# KiCad board 100p-keebored.kicad_pcb
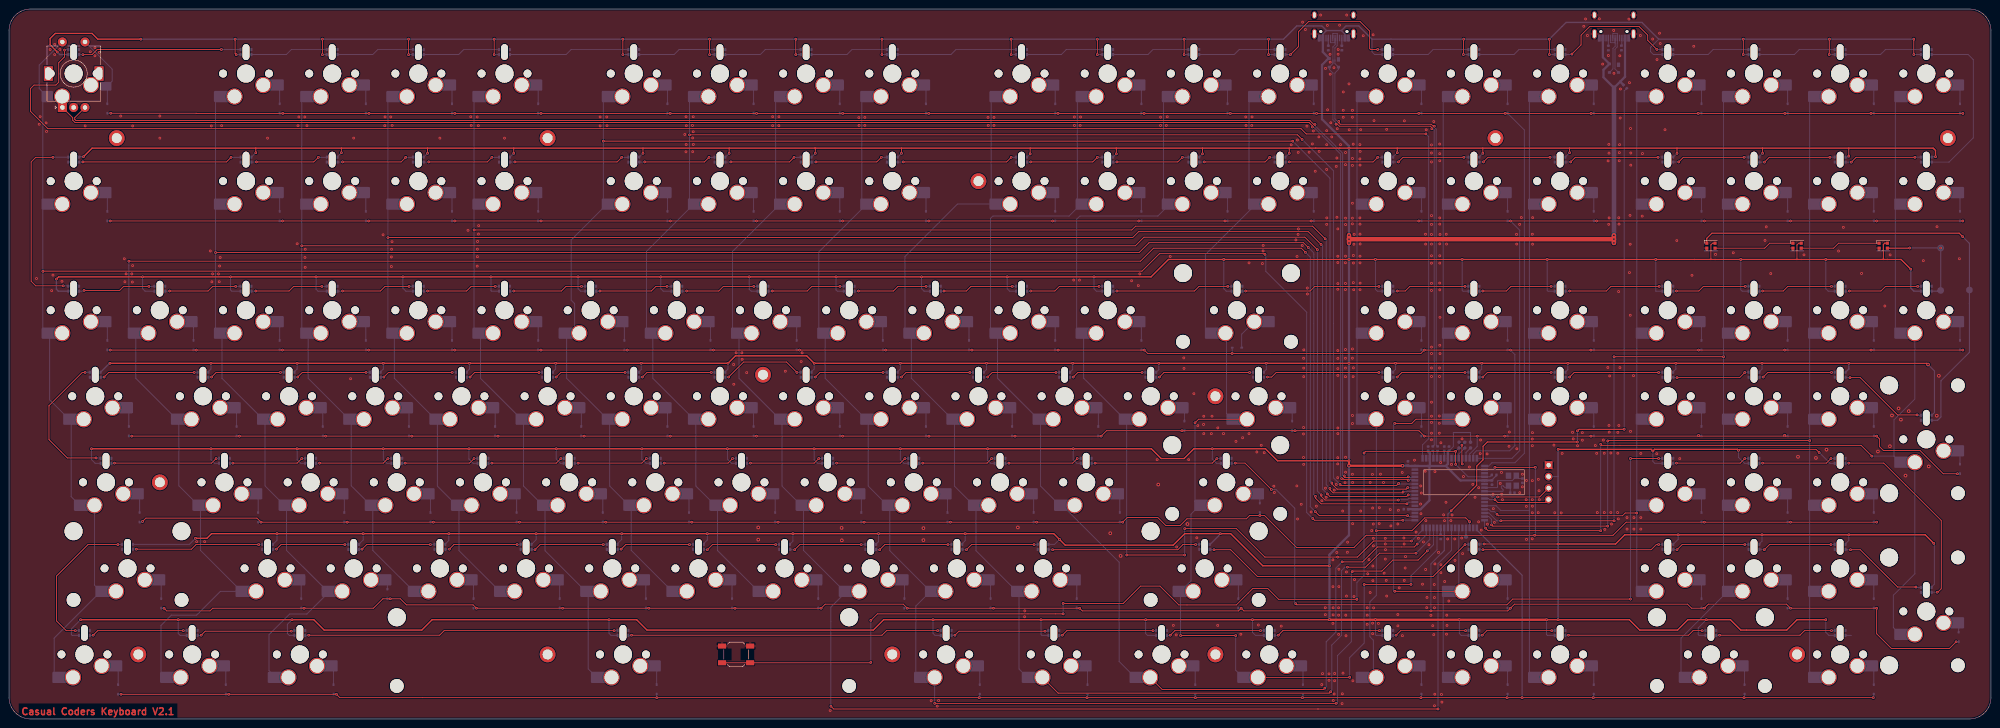
[diagram p0: board, top side]
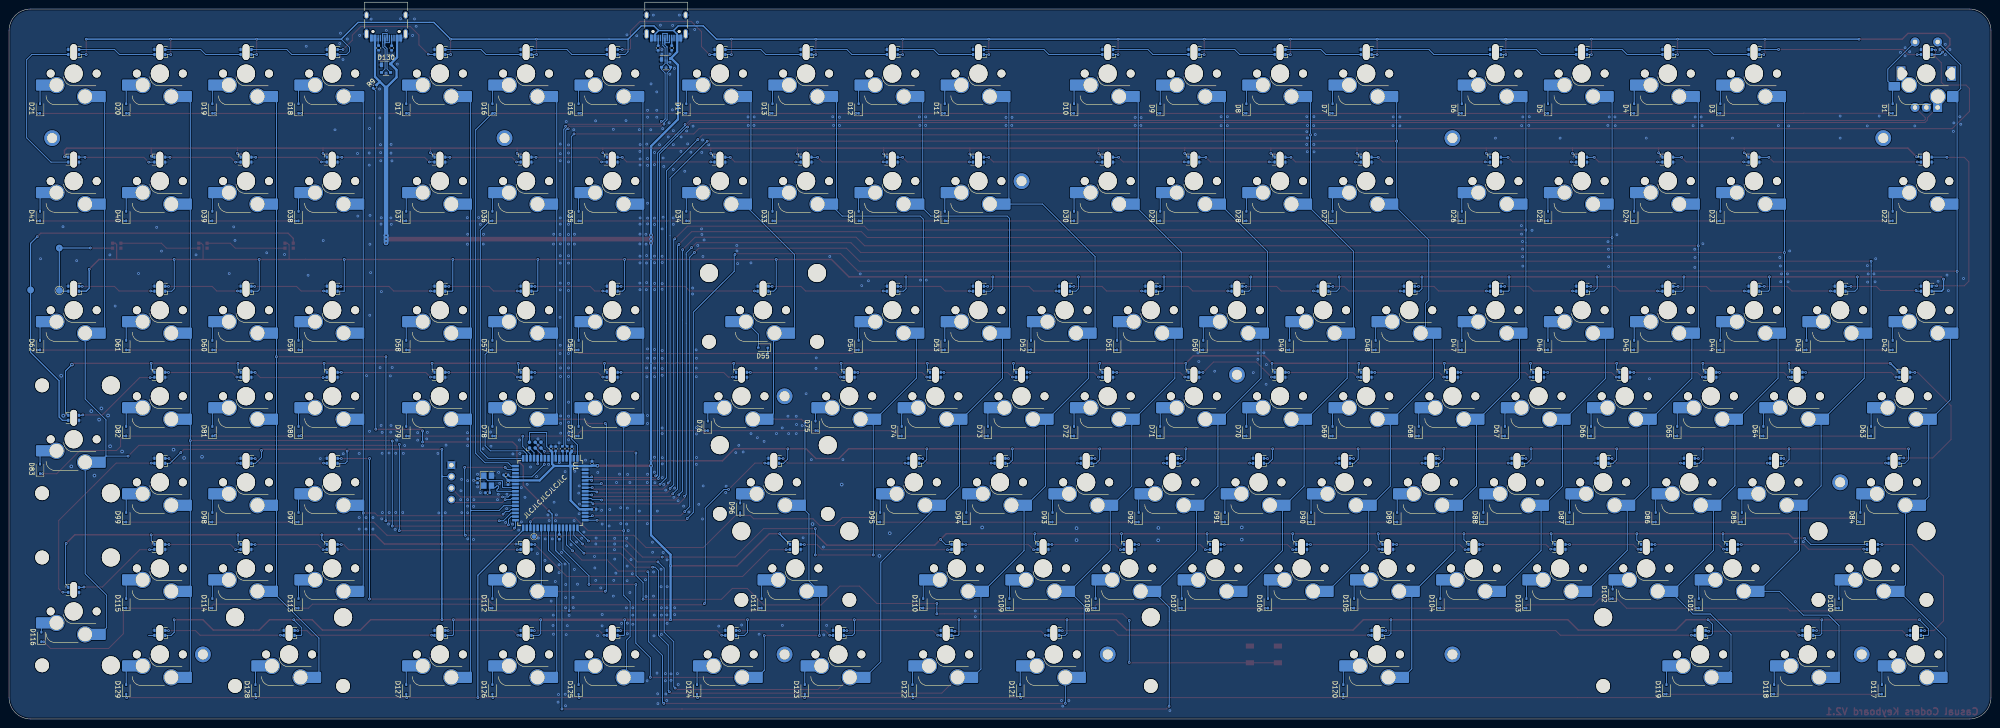
[diagram p1: board, bottom side, seen from below]

Outline 438.15 x 157.16 mm; copper layers: Top, Bottom. Coordinates in mm from the lower left corner of the outline.
Outline path: 0,152.4 arc(1.39,155.77) 4.76,157.16 433.39,157.16 arc(436.76,155.77) 438.15,152.4 438.15,4.76 arc(436.76,1.39) 433.39,0 4.76,0 arc(1.39,1.39) 0,4.76 0,152.4
Stack: Top 0.035mm / dielectric 1.51mm FR4 er 4.5 / Bottom 0.035mm

## Placement (name value [footprint] x y rotation side)
C1  12p  [C_0402_1005Metric]  334.58 52.76 90 bottom
C2  12p  [C_0402_1005Metric]  332.35 50.08 180 bottom
C3  100n  [C_0402_1005Metric]  309.26 56.55 90 bottom
C4  100n  [C_0402_1005Metric]  313.73 59.83 90 bottom
C5  100n  [C_0402_1005Metric]  327.85 52.35 270 bottom
C6  100n  [C_0402_1005Metric]  318.34 59.83 90 bottom
C7  100n  [C_0402_1005Metric]  308.82 46.43 180 bottom
C8  1u  [C_0402_1005Metric]  317.3 59.83 270 bottom
D1  D  [D_SOD-323]  21.73 135.14 90 bottom
D3  D  [D_SOD-323]  59.83 135.14 90 bottom
D4  D  [D_SOD-323]  78.88 135.14 90 bottom
D5  D  [D_SOD-323]  97.93 135.14 90 bottom
D6  D  [D_SOD-323]  116.98 135.14 90 bottom
D7  D  [D_SOD-323]  145.55 135.14 90 bottom
D8  D  [D_SOD-323]  164.6 135.14 90 bottom
D9  D  [D_SOD-323]  183.65 135.14 90 bottom
D10  D  [D_SOD-323]  202.7 135.14 90 bottom
D11  D  [D_SOD-323]  231.28 135.14 90 bottom
D12  D  [D_SOD-323]  250.33 135.14 90 bottom
D13  D  [D_SOD-323]  269.38 135.14 90 bottom
D14  D  [D_SOD-323]  288.43 135.14 90 bottom
D15  D  [D_SOD-323]  312.24 135.14 90 bottom
D16  D  [D_SOD-323]  331.29 135.14 90 bottom
D17  D  [D_SOD-323]  350.34 135.14 90 bottom
D18  D  [D_SOD-323]  374.15 135.14 90 bottom
D19  D  [D_SOD-323]  393.2 135.14 90 bottom
D20  D  [D_SOD-323]  412.25 135.14 90 bottom
D21  D  [D_SOD-323]  431.3 135.14 90 bottom
D22  D  [D_SOD-323]  21.73 111.32 90 bottom
D23  D  [D_SOD-323]  59.83 111.32 90 bottom
D24  D  [D_SOD-323]  78.88 111.32 90 bottom
D25  D  [D_SOD-323]  97.93 111.32 90 bottom
D26  D  [D_SOD-323]  116.98 111.32 90 bottom
D27  D  [D_SOD-323]  145.55 111.32 90 bottom
D28  D  [D_SOD-323]  164.6 111.32 90 bottom
D29  D  [D_SOD-323]  183.65 111.32 90 bottom
D30  D  [D_SOD-323]  202.7 111.32 90 bottom
D31  D  [D_SOD-323]  231.28 111.32 90 bottom
D32  D  [D_SOD-323]  250.33 111.32 90 bottom
D33  D  [D_SOD-323]  269.38 111.32 90 bottom
D34  D  [D_SOD-323]  288.43 111.32 90 bottom
D35  D  [D_SOD-323]  312.24 111.32 90 bottom
D36  D  [D_SOD-323]  331.29 111.32 90 bottom
D37  D  [D_SOD-323]  350.34 111.32 90 bottom
D38  D  [D_SOD-323]  374.15 111.32 90 bottom
D39  D  [D_SOD-323]  393.2 111.32 90 bottom
D40  D  [D_SOD-323]  412.25 111.32 90 bottom
D41  D  [D_SOD-323]  431.3 111.32 90 bottom
D42  D  [D_SOD-323]  21.73 82.75 90 bottom
D43  D  [D_SOD-323]  40.78 82.75 90 bottom
D44  D  [D_SOD-323]  59.83 82.75 90 bottom
D45  D  [D_SOD-323]  78.88 82.75 90 bottom
D46  D  [D_SOD-323]  97.93 82.75 90 bottom
D47  D  [D_SOD-323]  116.98 82.75 90 bottom
D48  D  [D_SOD-323]  136.03 82.75 90 bottom
D49  D  [D_SOD-323]  155.08 82.75 90 bottom
D50  D  [D_SOD-323]  174.13 82.75 90 bottom
D51  D  [D_SOD-323]  193.18 82.75 90 bottom
D52  D  [D_SOD-323]  212.23 82.75 90 bottom
D53  D  [D_SOD-323]  231.28 82.75 90 bottom
D54  D  [D_SOD-323]  250.33 82.75 90 bottom
D55  D  [D_SOD-323]  271.46 82.19 0 bottom
D56  D  [D_SOD-323]  312.24 82.75 90 bottom
D57  D  [D_SOD-323]  331.29 82.75 90 bottom
D58  D  [D_SOD-323]  350.34 82.75 90 bottom
D59  D  [D_SOD-323]  374.15 82.75 90 bottom
D60  D  [D_SOD-323]  393.2 82.75 90 bottom
D61  D  [D_SOD-323]  412.25 82.75 90 bottom
D62  D  [D_SOD-323]  431.3 82.75 90 bottom
D63  D  [D_SOD-323]  26.49 63.7 90 bottom
D64  D  [D_SOD-323]  50.3 63.7 90 bottom
D65  D  [D_SOD-323]  69.35 63.7 90 bottom
D66  D  [D_SOD-323]  88.4 63.7 90 bottom
D67  D  [D_SOD-323]  107.45 63.7 90 bottom
D68  D  [D_SOD-323]  126.5 63.7 90 bottom
D69  D  [D_SOD-323]  145.55 63.7 90 bottom
D70  D  [D_SOD-323]  164.6 63.7 90 bottom
D71  D  [D_SOD-323]  183.65 63.7 90 bottom
D72  D  [D_SOD-323]  202.7 63.7 90 bottom
D73  D  [D_SOD-323]  221.75 63.7 90 bottom
D74  D  [D_SOD-323]  240.8 63.7 90 bottom
D75  D  [D_SOD-323]  259.85 64.89 90 bottom
D76  D  [D_SOD-323]  283.67 64.89 90 bottom
D77  D  [D_SOD-323]  312.24 63.7 90 bottom
D78  D  [D_SOD-323]  331.29 63.7 90 bottom
D79  D  [D_SOD-323]  350.34 63.7 90 bottom
D80  D  [D_SOD-323]  374.15 63.7 90 bottom
D81  D  [D_SOD-323]  393.2 63.7 90 bottom
D82  D  [D_SOD-323]  412.25 63.7 90 bottom
D83  D  [D_SOD-323]  431.3 55.36 90 bottom
D84  D  [D_SOD-323]  28.87 44.65 90 bottom
D85  D  [D_SOD-323]  55.07 44.65 90 bottom
D86  D  [D_SOD-323]  74.12 44.65 90 bottom
D87  D  [D_SOD-323]  93.17 44.65 90 bottom
D88  D  [D_SOD-323]  112.22 44.65 90 bottom
D89  D  [D_SOD-323]  131.27 44.65 90 bottom
D90  D  [D_SOD-323]  150.32 44.65 90 bottom
D91  D  [D_SOD-323]  169.37 44.65 90 bottom
D92  D  [D_SOD-323]  188.42 44.65 90 bottom
D93  D  [D_SOD-323]  207.47 44.65 90 bottom
D94  D  [D_SOD-323]  226.52 44.65 90 bottom
D95  D  [D_SOD-323]  245.57 44.65 90 bottom
D96  D  [D_SOD-323]  276.52 46.73 90 bottom
D97  D  [D_SOD-323]  374.15 44.65 90 bottom
D98  D  [D_SOD-323]  393.2 44.65 90 bottom
D99  D  [D_SOD-323]  412.25 44.65 90 bottom
D100  D  [D_SOD-323]  33.64 25.6 90 bottom
D101  D  [D_SOD-323]  64.59 25.6 90 bottom
D102  D  [D_SOD-323]  83.64 27.68 90 bottom
D103  D  [D_SOD-323]  102.69 25.6 90 bottom
D104  D  [D_SOD-323]  121.74 25.6 90 bottom
D105  D  [D_SOD-323]  140.79 25.6 90 bottom
D106  D  [D_SOD-323]  159.84 25.6 90 bottom
D107  D  [D_SOD-323]  178.89 25.6 90 bottom
D108  D  [D_SOD-323]  197.94 25.6 90 bottom
D109  D  [D_SOD-323]  216.99 25.6 90 bottom
D110  D  [D_SOD-323]  236.04 25.6 90 bottom
D111  D  [D_SOD-323]  271.76 25.6 90 bottom
D112  D  [D_SOD-323]  331.29 25.6 90 bottom
D113  D  [D_SOD-323]  374.15 25.6 90 bottom
D114  D  [D_SOD-323]  393.2 25.6 90 bottom
D115  D  [D_SOD-323]  412.25 25.6 90 bottom
D116  D  [D_SOD-323]  431.01 18.16 90 bottom
D117  D  [D_SOD-323]  24.11 6.55 90 bottom
D118  D  [D_SOD-323]  47.92 6.55 90 bottom
D119  D  [D_SOD-323]  71.74 6.55 90 bottom
D120  D  [D_SOD-323]  143.17 6.55 90 bottom
D121  D  [D_SOD-323]  214.61 6.55 90 bottom
D122  D  [D_SOD-323]  238.42 6.55 90 bottom
D123  D  [D_SOD-323]  262.23 6.55 90 bottom
D124  D  [D_SOD-323]  286.05 6.55 90 bottom
D125  D  [D_SOD-323]  312.24 6.55 90 bottom
D126  D  [D_SOD-323]  331.29 6.55 90 bottom
D127  D  [D_SOD-323]  350.34 6.55 90 bottom
D128  D  [D_SOD-323]  383.68 6.55 90 bottom
D129  D  [D_SOD-323]  412.25 6.55 90 bottom
D130  PRTR5V0U2X  [SOT-143]  354.81 144.07 180 bottom
D200  PRTR5V0U2X  [SOT-143]  292.89 145.26 180 bottom
D201  WS2812B  [WS2812B-2020 ShineThrough]  14.29 147.64 180 bottom
D203  WS2812B  [WS2812B-2020 ShineThrough]  52.39 147.64 180 bottom
D204  WS2812B  [WS2812B-2020 ShineThrough]  71.44 147.64 180 bottom
D205  WS2812B  [WS2812B-2020 ShineThrough]  90.49 147.64 180 bottom
D206  WS2812B  [WS2812B-2020 ShineThrough]  109.54 147.64 180 bottom
D207  WS2812B  [WS2812B-2020 ShineThrough]  138.11 147.64 180 bottom
D208  WS2812B  [WS2812B-2020 ShineThrough]  157.16 147.64 180 bottom
D209  WS2812B  [WS2812B-2020 ShineThrough]  176.21 147.64 180 bottom
D210  WS2812B  [WS2812B-2020 ShineThrough]  195.26 147.64 180 bottom
D211  WS2812B  [WS2812B-2020 ShineThrough]  223.84 147.64 180 bottom
D212  WS2812B  [WS2812B-2020 ShineThrough]  242.89 147.64 180 bottom
D213  WS2812B  [WS2812B-2020 ShineThrough]  261.94 147.64 180 bottom
D214  WS2812B  [WS2812B-2020 ShineThrough]  280.99 147.64 180 bottom
D215  WS2812B  [WS2812B-2020 ShineThrough]  304.8 147.64 180 bottom
D216  WS2812B  [WS2812B-2020 ShineThrough]  323.85 147.64 180 bottom
D217  WS2812B  [WS2812B-2020 ShineThrough]  342.9 147.64 180 bottom
D218  WS2812B  [WS2812B-2020 ShineThrough]  366.71 147.64 180 bottom
D219  WS2812B  [WS2812B-2020 ShineThrough]  385.76 147.64 180 bottom
D220  WS2812B  [WS2812B-2020 ShineThrough]  404.81 147.64 180 bottom
D221  WS2812B  [WS2812B-2020 ShineThrough]  423.86 147.64 180 bottom
D222  WS2812B  [WS2812B-2020 ShineThrough]  423.86 123.83 0 bottom
D223  WS2812B  [WS2812B-2020 ShineThrough]  404.81 123.83 0 bottom
D224  WS2812B  [WS2812B-2020 ShineThrough]  385.76 123.83 0 bottom
D225  WS2812B  [WS2812B-2020 ShineThrough]  366.71 123.83 0 bottom
D226  WS2812B  [WS2812B-2020 ShineThrough]  342.9 123.83 0 bottom
D227  WS2812B  [WS2812B-2020 ShineThrough]  323.85 123.83 0 bottom
D228  WS2812B  [WS2812B-2020 ShineThrough]  304.8 123.83 0 bottom
D229  WS2812B  [WS2812B-2020 ShineThrough]  280.99 123.83 0 bottom
D230  WS2812B  [WS2812B-2020 ShineThrough]  261.94 123.83 0 bottom
D231  WS2812B  [WS2812B-2020 ShineThrough]  242.89 123.83 0 bottom
D232  WS2812B  [WS2812B-2020 ShineThrough]  223.84 123.83 0 bottom
D233  WS2812B  [WS2812B-2020 ShineThrough]  195.26 123.83 0 bottom
D234  WS2812B  [WS2812B-2020 ShineThrough]  176.21 123.83 0 bottom
D235  WS2812B  [WS2812B-2020 ShineThrough]  157.16 123.83 0 bottom
D236  WS2812B  [WS2812B-2020 ShineThrough]  138.11 123.83 0 bottom
D237  WS2812B  [WS2812B-2020 ShineThrough]  109.54 123.83 0 bottom
D238  WS2812B  [WS2812B-2020 ShineThrough]  90.49 123.83 0 bottom
D239  WS2812B  [WS2812B-2020 ShineThrough]  71.44 123.83 0 bottom
D240  WS2812B  [WS2812B-2020 ShineThrough]  52.39 123.83 0 bottom
D241  WS2812B  [WS2812B-2020 ShineThrough]  14.29 123.83 0 bottom
D242  WS2812B  [WS2812B-2020 ShineThrough]  14.29 95.25 180 bottom
D243  WS2812B  [WS2812B-2020 ShineThrough]  33.34 95.25 180 bottom
D244  WS2812B  [WS2812B-2020 ShineThrough]  52.39 95.25 180 bottom
D245  WS2812B  [WS2812B-2020 ShineThrough]  71.44 95.25 180 bottom
D246  WS2812B  [WS2812B-2020 ShineThrough]  90.49 95.25 180 bottom
D247  WS2812B  [WS2812B-2020 ShineThrough]  109.54 95.25 180 bottom
D248  WS2812B  [WS2812B-2020 ShineThrough]  128.59 95.25 180 bottom
D249  WS2812B  [WS2812B-2020 ShineThrough]  147.64 95.25 180 bottom
D250  WS2812B  [WS2812B-2020 ShineThrough]  166.69 95.25 180 bottom
D251  WS2812B  [WS2812B-2020 ShineThrough]  185.74 95.25 180 bottom
D252  WS2812B  [WS2812B-2020 ShineThrough]  204.79 95.25 180 bottom
D253  WS2812B  [WS2812B-2020 ShineThrough]  223.84 95.25 180 bottom
D254  WS2812B  [WS2812B-2020 ShineThrough]  242.89 95.25 180 bottom
D255  WS2812B  [WS2812B-2020 ShineThrough]  271.46 95.25 180 bottom
D256  WS2812B  [WS2812B-2020 ShineThrough]  304.8 95.25 180 bottom
D257  WS2812B  [WS2812B-2020 ShineThrough]  323.85 95.25 180 bottom
D258  WS2812B  [WS2812B-2020 ShineThrough]  342.9 95.25 180 bottom
D259  WS2812B  [WS2812B-2020 ShineThrough]  366.71 95.25 180 bottom
D260  WS2812B  [WS2812B-2020 ShineThrough]  385.76 95.25 180 bottom
D261  WS2812B  [WS2812B-2020 ShineThrough]  404.81 95.25 180 bottom
D262  WS2812B  [WS2812B-2020 ShineThrough]  423.86 95.25 180 bottom
D263  WS2812B  [WS2812B-2020 ShineThrough]  423.86 66.68 0 bottom
D264  WS2812B  [WS2812B-2020 ShineThrough]  404.81 76.2 0 bottom
D265  WS2812B  [WS2812B-2020 ShineThrough]  385.76 76.2 0 bottom
D266  WS2812B  [WS2812B-2020 ShineThrough]  366.71 76.2 0 bottom
D267  WS2812B  [WS2812B-2020 ShineThrough]  342.9 76.2 0 bottom
D268  WS2812B  [WS2812B-2020 ShineThrough]  323.85 76.2 0 bottom
D269  WS2812B  [WS2812B-2020 ShineThrough]  304.8 76.2 0 bottom
D270  WS2812B  [WS2812B-2020 ShineThrough]  276.22 76.2 0 bottom
D271  WS2812B  [WS2812B-2020 ShineThrough]  252.41 76.2 0 bottom
D272  WS2812B  [WS2812B-2020 ShineThrough]  233.36 76.2 0 bottom
D273  WS2812B  [WS2812B-2020 ShineThrough]  214.31 76.2 0 bottom
D274  WS2812B  [WS2812B-2020 ShineThrough]  195.26 76.2 0 bottom
D275  WS2812B  [WS2812B-2020 ShineThrough]  176.21 76.2 0 bottom
D276  WS2812B  [WS2812B-2020 ShineThrough]  157.16 76.2 0 bottom
D277  WS2812B  [WS2812B-2020 ShineThrough]  138.11 76.2 0 bottom
D278  WS2812B  [WS2812B-2020 ShineThrough]  119.06 76.2 0 bottom
D279  WS2812B  [WS2812B-2020 ShineThrough]  100.01 76.2 0 bottom
D280  WS2812B  [WS2812B-2020 ShineThrough]  80.96 76.2 0 bottom
D281  WS2812B  [WS2812B-2020 ShineThrough]  61.91 76.2 0 bottom
D282  WS2812B  [WS2812B-2020 ShineThrough]  42.86 76.2 0 bottom
D283  WS2812B  [WS2812B-2020 ShineThrough]  19.05 76.2 0 bottom
D284  WS2812B  [WS2812B-2020 ShineThrough]  21.43 57.15 180 bottom
D285  WS2812B  [WS2812B-2020 ShineThrough]  47.62 57.15 180 bottom
D286  WS2812B  [WS2812B-2020 ShineThrough]  66.67 57.15 180 bottom
D287  WS2812B  [WS2812B-2020 ShineThrough]  85.72 57.15 180 bottom
D288  WS2812B  [WS2812B-2020 ShineThrough]  104.77 57.15 180 bottom
D289  WS2812B  [WS2812B-2020 ShineThrough]  123.82 57.15 180 bottom
D290  WS2812B  [WS2812B-2020 ShineThrough]  142.87 57.15 180 bottom
D291  WS2812B  [WS2812B-2020 ShineThrough]  161.92 57.15 180 bottom
D292  WS2812B  [WS2812B-2020 ShineThrough]  180.97 57.15 180 bottom
D293  WS2812B  [WS2812B-2020 ShineThrough]  200.02 57.15 180 bottom
D294  WS2812B  [WS2812B-2020 ShineThrough]  219.07 57.15 180 bottom
D295  WS2812B  [WS2812B-2020 ShineThrough]  238.12 57.15 180 bottom
D296  WS2812B  [WS2812B-2020 ShineThrough]  269.08 57.15 180 bottom
D297  WS2812B  [WS2812B-2020 ShineThrough]  366.71 57.15 180 bottom
D298  WS2812B  [WS2812B-2020 ShineThrough]  385.76 57.15 180 bottom
D299  WS2812B  [WS2812B-2020 ShineThrough]  404.81 57.15 180 bottom
D300  WS2812B  [WS2812B-2020 ShineThrough]  423.86 28.58 0 bottom
D301  WS2812B  [WS2812B-2020 ShineThrough]  404.81 38.1 0 bottom
D302  WS2812B  [WS2812B-2020 ShineThrough]  385.76 38.1 0 bottom
D303  WS2812B  [WS2812B-2020 ShineThrough]  366.71 38.1 0 bottom
D304  WS2812B  [WS2812B-2020 ShineThrough]  323.85 38.1 0 bottom
D305  WS2812B  [WS2812B-2020 ShineThrough]  264.32 38.1 0 bottom
D306  WS2812B  [WS2812B-2020 ShineThrough]  228.6 38.1 0 bottom
D307  WS2812B  [WS2812B-2020 ShineThrough]  209.55 38.1 0 bottom
D308  WS2812B  [WS2812B-2020 ShineThrough]  190.5 38.1 0 bottom
D309  WS2812B  [WS2812B-2020 ShineThrough]  171.45 38.1 0 bottom
D310  WS2812B  [WS2812B-2020 ShineThrough]  152.4 38.1 0 bottom
D311  WS2812B  [WS2812B-2020 ShineThrough]  133.35 38.1 0 bottom
D312  WS2812B  [WS2812B-2020 ShineThrough]  114.3 38.1 0 bottom
D313  WS2812B  [WS2812B-2020 ShineThrough]  95.25 38.1 0 bottom
D314  WS2812B  [WS2812B-2020 ShineThrough]  76.2 38.1 0 bottom
D315  WS2812B  [WS2812B-2020 ShineThrough]  57.15 38.1 0 bottom
D316  WS2812B  [WS2812B-2020 ShineThrough]  26.19 38.1 0 bottom
D317  WS2812B  [WS2812B-2020 ShineThrough]  16.67 19.05 180 bottom
D318  WS2812B  [WS2812B-2020 ShineThrough]  40.48 19.05 180 bottom
D319  WS2812B  [WS2812B-2020 ShineThrough]  64.29 19.05 180 bottom
D320  WS2812B  [WS2812B-2020 ShineThrough]  135.73 19.05 180 bottom
D321  WS2812B  [WS2812B-2020 ShineThrough]  207.17 19.05 180 bottom
D322  WS2812B  [WS2812B-2020 ShineThrough]  230.98 19.05 180 bottom
D323  WS2812B  [WS2812B-2020 ShineThrough]  254.79 19.05 180 bottom
D324  WS2812B  [WS2812B-2020 ShineThrough]  278.61 19.05 180 bottom
D325  WS2812B  [WS2812B-2020 ShineThrough]  304.8 19.05 180 bottom
D326  WS2812B  [WS2812B-2020 ShineThrough]  323.85 19.05 180 bottom
D327  WS2812B  [WS2812B-2020 ShineThrough]  342.9 19.05 180 bottom
D328  WS2812B  [WS2812B-2020 ShineThrough]  376.24 19.05 180 bottom
D329  WS2812B  [WS2812B-2020 ShineThrough]  404.81 19.05 180 bottom
J1  AVR-ISP-6  [Tag-Connect_TC2030-IDC-NL_2x03_P1.27mm_Vertical]  321.83 60.63 180 bottom
J2  USB_C_Receptacle_USB2.0  [USB_C_Receptacle_HRO_TYPE-C-31-M-12]  292.89 154.78 0 bottom
J3  Type C 31-M-12  [USB_C_Receptacle_HRO_TYPE-C-31-M-12]  354.81 154.78 0 bottom
J4  Conn_01x04  [SSD1306_128_32]  323.85 52.39 0 top
NOREF  -  [unnamed]  266.7 71.44 0 top
NOREF#2  -  [unnamed]  428.62 128.59 0 top
NOREF#3  -  [unnamed#2]  433.39 94.97 0 top
NOREF#4  -  [unnamed]  119.06 14.29 0 top
NOREF#5  -  [unnamed]  23.81 128.59 0 top
NOREF#6  -  [unnamed]  214.31 119.06 0 top
NOREF#7  -  [unnamed]  266.7 14.29 0 top
NOREF#8  -  [unnamed#2]  427.04 104.27 0 top
NOREF#9  -  [unnamed]  28.58 14.29 0 top
NOREF#10  -  [unnamed]  395.29 14.29 0 top
NOREF#11  -  [unnamed]  33.34 52.39 0 top
NOREF#12  -  [unnamed]  166.69 76.2 0 top
NOREF#13  -  [unnamed]  328.61 128.59 0 top
NOREF#14  -  [unnamed]  119.06 128.59 0 top
NOREF#15  -  [unnamed]  195.26 14.29 0 top
R1  10K  [R_0402_1005Metric]  328.31 54.02 180 bottom
R2  5k1  [R_0402_1005Metric]  291.65 148.54 270 bottom
R3  5k1  [R_0402_1005Metric]  294.65 148.54 270 bottom
R4  22  [R_0402_1005Metric]  315.81 59.83 270 bottom
R5  22  [R_0402_1005Metric]  314.77 59.83 270 bottom
R6  10k  [R_0402_1005Metric]  316.5 40.32 90 bottom
R7  5k1  [R_0402_1005Metric]  353.57 148.53 270 bottom
R8  5k1  [R_0402_1005Metric]  356.46 148.54 270 bottom
R9  10k  [R_0402_1005Metric]  357.28 139.98 135 bottom
REF**  -  [Stabilizer_Cherry_MX_2.00u]  423.86 23.81 270 top
REF**#2  -  [Stabilizer_Cherry_MX_2.00u]  423.86 61.91 270 top
REF**#3  -  [Stabilizer_Cherry_MX_6.25u]  135.73 14.29 180 top
REF**#4  -  [Stabilizer_Cherry_MX_2.00u]  271.46 90.49 180 top
REF**#5  -  [Stabilizer_Cherry_MX_2.00u]  269.08 52.39 180 top
REF**#6  -  [Stabilizer_Cherry_MX_2.00u]  376.24 14.29 180 top
REF**#7  -  [Stabilizer_Cherry_MX_2.00u]  26.19 33.34 180 top
REF**#8  -  [Stabilizer_Cherry_MX_2.00u]  264.32 33.34 180 top
REF**#9  -  [TestPoint_Pad_D1.0mm]  322.11 40.36 180 bottom
REF**#10  -  [TestPoint_Pad_D1.5mm]  427.04 94.87 180 bottom
SW1  SW_Push  [SW_Hotswap_Kailh_MX_plated_1.00u#2]  14.29 142.88 180 top
SW3  SW_Push  [SW_Hotswap_Kailh_MX_plated_1.00u]  52.39 142.88 180 top
SW4  SW_Push  [SW_Hotswap_Kailh_MX_plated_1.00u]  71.44 142.88 180 top
SW5  SW_Push  [SW_Hotswap_Kailh_MX_plated_1.00u]  90.49 142.88 180 top
SW6  SW_Push  [SW_Hotswap_Kailh_MX_plated_1.00u]  109.54 142.88 180 top
SW7  SW_Push  [SW_Hotswap_Kailh_MX_plated_1.00u]  138.11 142.88 180 top
SW8  SW_Push  [SW_Hotswap_Kailh_MX_plated_1.00u]  157.16 142.88 180 top
SW9  SW_Push  [SW_Hotswap_Kailh_MX_plated_1.00u]  176.21 142.88 180 top
SW10  SW_Push  [SW_Hotswap_Kailh_MX_plated_1.00u]  195.26 142.88 180 top
SW11  SW_Push  [SW_Hotswap_Kailh_MX_plated_1.00u]  223.84 142.88 180 top
SW12  SW_Push  [SW_Hotswap_Kailh_MX_plated_1.00u]  242.89 142.88 180 top
SW13  SW_Push  [SW_Hotswap_Kailh_MX_plated_1.00u]  261.94 142.88 180 top
SW14  SW_Push  [SW_Hotswap_Kailh_MX_plated_1.00u]  280.99 142.88 180 top
SW15  SW_Push  [SW_Hotswap_Kailh_MX_plated_1.00u]  304.8 142.88 180 top
SW16  SW_Push  [SW_Hotswap_Kailh_MX_plated_1.00u]  323.85 142.88 180 top
SW17  SW_Push  [SW_Hotswap_Kailh_MX_plated_1.00u]  342.9 142.88 180 top
SW18  SW_Push  [SW_Hotswap_Kailh_MX_plated_1.00u]  366.71 142.88 180 top
SW19  SW_Push  [SW_Hotswap_Kailh_MX_plated_1.00u]  385.76 142.88 180 top
SW20  SW_Push  [SW_Hotswap_Kailh_MX_plated_1.00u]  404.81 142.88 180 top
SW21  SW_Push  [SW_Hotswap_Kailh_MX_plated_1.00u]  423.86 142.88 180 top
SW22  SW_Push  [SW_Hotswap_Kailh_MX_plated_1.00u]  14.29 119.06 180 top
SW23  SW_Push  [SW_Hotswap_Kailh_MX_plated_1.00u]  52.39 119.06 180 top
SW24  SW_Push  [SW_Hotswap_Kailh_MX_plated_1.00u]  71.44 119.06 180 top
SW25  SW_Push  [SW_Hotswap_Kailh_MX_plated_1.00u]  90.49 119.06 180 top
SW26  SW_Push  [SW_Hotswap_Kailh_MX_plated_1.00u]  109.54 119.06 180 top
SW27  SW_Push  [SW_Hotswap_Kailh_MX_plated_1.00u]  138.11 119.06 180 top
SW28  SW_Push  [SW_Hotswap_Kailh_MX_plated_1.00u]  157.16 119.06 180 top
SW29  SW_Push  [SW_Hotswap_Kailh_MX_plated_1.00u]  176.21 119.06 180 top
SW30  SW_Push  [SW_Hotswap_Kailh_MX_plated_1.00u]  195.26 119.06 180 top
SW31  SW_Push  [SW_Hotswap_Kailh_MX_plated_1.00u]  223.84 119.06 180 top
SW32  SW_Push  [SW_Hotswap_Kailh_MX_plated_1.00u]  242.89 119.06 180 top
SW33  SW_Push  [SW_Hotswap_Kailh_MX_plated_1.00u]  261.94 119.06 180 top
SW34  SW_Push  [SW_Hotswap_Kailh_MX_plated_1.00u]  280.99 119.06 180 top
SW35  SW_Push  [SW_Hotswap_Kailh_MX_plated_1.00u]  304.8 119.06 180 top
SW36  SW_Push  [SW_Hotswap_Kailh_MX_plated_1.00u]  323.85 119.06 180 top
SW37  SW_Push  [SW_Hotswap_Kailh_MX_plated_1.00u]  342.9 119.06 180 top
SW38  SW_Push  [SW_Hotswap_Kailh_MX_plated_1.00u]  366.71 119.06 180 top
SW39  SW_Push  [SW_Hotswap_Kailh_MX_plated_1.00u]  385.76 119.06 180 top
SW40  SW_Push  [SW_Hotswap_Kailh_MX_plated_1.00u]  404.81 119.06 180 top
SW41  SW_Push  [SW_Hotswap_Kailh_MX_plated_1.00u]  423.86 119.06 180 top
SW42  SW_Push  [SW_Hotswap_Kailh_MX_plated_1.00u]  14.29 90.49 180 top
SW43  SW_Push  [SW_Hotswap_Kailh_MX_plated_1.00u]  33.34 90.49 180 top
SW44  SW_Push  [SW_Hotswap_Kailh_MX_plated_1.00u]  52.39 90.49 180 top
SW45  SW_Push  [SW_Hotswap_Kailh_MX_plated_1.00u]  71.44 90.49 180 top
SW46  SW_Push  [SW_Hotswap_Kailh_MX_plated_1.00u]  90.49 90.49 180 top
SW47  SW_Push  [SW_Hotswap_Kailh_MX_plated_1.00u]  109.54 90.49 180 top
SW48  SW_Push  [SW_Hotswap_Kailh_MX_plated_1.00u]  128.59 90.49 180 top
SW49  SW_Push  [SW_Hotswap_Kailh_MX_plated_1.00u]  147.64 90.49 180 top
SW50  SW_Push  [SW_Hotswap_Kailh_MX_plated_1.00u]  166.69 90.49 180 top
SW51  SW_Push  [SW_Hotswap_Kailh_MX_plated_1.00u]  185.74 90.49 180 top
SW52  SW_Push  [SW_Hotswap_Kailh_MX_plated_1.00u]  204.79 90.49 180 top
SW53  SW_Push  [SW_Hotswap_Kailh_MX_plated_1.00u]  223.84 90.49 180 top
SW54  SW_Push  [SW_Hotswap_Kailh_MX_plated_1.00u]  242.89 90.49 180 top
SW55  SW_Push  [SW_Hotswap_Kailh_MX_plated_2.00u]  271.46 90.49 180 top
SW56  SW_Push  [SW_Hotswap_Kailh_MX_plated_1.00u]  304.8 90.49 180 top
SW57  SW_Push  [SW_Hotswap_Kailh_MX_plated_1.00u]  323.85 90.49 180 top
SW58  SW_Push  [SW_Hotswap_Kailh_MX_plated_1.00u]  342.9 90.49 180 top
SW59  SW_Push  [SW_Hotswap_Kailh_MX_plated_1.00u]  366.71 90.49 180 top
SW60  SW_Push  [SW_Hotswap_Kailh_MX_plated_1.00u]  385.76 90.49 180 top
SW61  SW_Push  [SW_Hotswap_Kailh_MX_plated_1.00u]  404.81 90.49 180 top
SW62  SW_Push  [SW_Hotswap_Kailh_MX_plated_1.00u]  423.86 90.49 180 top
SW63  SW_Push  [SW_Hotswap_Kailh_MX_plated_1.50u]  19.05 71.44 180 top
SW64  SW_Push  [SW_Hotswap_Kailh_MX_plated_1.00u]  42.86 71.44 180 top
SW65  SW_Push  [SW_Hotswap_Kailh_MX_plated_1.00u]  61.91 71.44 180 top
SW66  SW_Push  [SW_Hotswap_Kailh_MX_plated_1.00u]  80.96 71.44 180 top
SW67  SW_Push  [SW_Hotswap_Kailh_MX_plated_1.00u]  100.01 71.44 180 top
SW68  SW_Push  [SW_Hotswap_Kailh_MX_plated_1.00u]  119.06 71.44 180 top
SW69  SW_Push  [SW_Hotswap_Kailh_MX_plated_1.00u]  138.11 71.44 180 top
SW70  SW_Push  [SW_Hotswap_Kailh_MX_plated_1.00u]  157.16 71.44 180 top
SW71  SW_Push  [SW_Hotswap_Kailh_MX_plated_1.00u]  176.21 71.44 180 top
SW72  SW_Push  [SW_Hotswap_Kailh_MX_plated_1.00u]  195.26 71.44 180 top
SW73  SW_Push  [SW_Hotswap_Kailh_MX_plated_1.00u]  214.31 71.44 180 top
SW74  SW_Push  [SW_Hotswap_Kailh_MX_plated_1.00u]  233.36 71.44 180 top
SW75  SW_Push  [SW_Hotswap_Kailh_MX_plated_1.00u]  252.41 71.44 180 top
SW76  SW_Push  [SW_Hotswap_Kailh_MX_plated_1.50u]  276.22 71.44 180 top
SW77  SW_Push  [SW_Hotswap_Kailh_MX_plated_1.00u]  304.8 71.44 180 top
SW78  SW_Push  [SW_Hotswap_Kailh_MX_plated_1.00u]  323.85 71.44 180 top
SW79  SW_Push  [SW_Hotswap_Kailh_MX_plated_1.00u]  342.9 71.44 180 top
SW80  SW_Push  [SW_Hotswap_Kailh_MX_plated_1.00u]  366.71 71.44 180 top
SW81  SW_Push  [SW_Hotswap_Kailh_MX_plated_1.00u]  385.76 71.44 180 top
SW82  SW_Push  [SW_Hotswap_Kailh_MX_plated_1.00u]  404.81 71.44 180 top
SW83  SW_Push  [SW_Hotswap_Kailh_MX_plated_2.00u_90deg]  423.86 61.91 180 top
SW84  SW_Push  [SW_Hotswap_Kailh_MX_plated_1.75u]  21.43 52.39 180 top
SW85  SW_Push  [SW_Hotswap_Kailh_MX_plated_1.00u]  47.62 52.39 180 top
SW86  SW_Push  [SW_Hotswap_Kailh_MX_plated_1.00u]  66.68 52.39 180 top
SW87  SW_Push  [SW_Hotswap_Kailh_MX_plated_1.00u]  85.72 52.39 180 top
SW88  SW_Push  [SW_Hotswap_Kailh_MX_plated_1.00u]  104.78 52.39 180 top
SW89  SW_Push  [SW_Hotswap_Kailh_MX_plated_1.00u]  123.83 52.39 180 top
SW90  SW_Push  [SW_Hotswap_Kailh_MX_plated_1.00u]  142.88 52.39 180 top
SW91  SW_Push  [SW_Hotswap_Kailh_MX_plated_1.00u]  161.93 52.39 180 top
SW92  SW_Push  [SW_Hotswap_Kailh_MX_plated_1.00u]  180.97 52.39 180 top
SW93  SW_Push  [SW_Hotswap_Kailh_MX_plated_1.00u]  200.03 52.39 180 top
SW94  SW_Push  [SW_Hotswap_Kailh_MX_plated_1.00u]  219.08 52.39 180 top
SW95  SW_Push  [SW_Hotswap_Kailh_MX_plated_1.00u]  238.13 52.39 180 top
SW96  SW_Push  [SW_Hotswap_Kailh_MX_plated_2.25u]  269.08 52.39 180 top
SW97  SW_Push  [SW_Hotswap_Kailh_MX_plated_1.00u]  366.71 52.39 180 top
SW98  SW_Push  [SW_Hotswap_Kailh_MX_plated_1.00u]  385.76 52.39 180 top
SW99  SW_Push  [SW_Hotswap_Kailh_MX_plated_1.00u]  404.81 52.39 180 top
SW100  SW_Push  [SW_Hotswap_Kailh_MX_plated_2.25u]  26.19 33.34 180 top
SW101  SW_Push  [SW_Hotswap_Kailh_MX_plated_1.00u]  57.15 33.34 180 top
SW102  SW_Push  [SW_Hotswap_Kailh_MX_plated_1.00u]  76.2 33.34 180 top
SW103  SW_Push  [SW_Hotswap_Kailh_MX_plated_1.00u]  95.25 33.34 180 top
SW104  SW_Push  [SW_Hotswap_Kailh_MX_plated_1.00u]  114.3 33.34 180 top
SW105  SW_Push  [SW_Hotswap_Kailh_MX_plated_1.00u]  133.35 33.34 180 top
SW106  SW_Push  [SW_Hotswap_Kailh_MX_plated_1.00u]  152.4 33.34 180 top
SW107  SW_Push  [SW_Hotswap_Kailh_MX_plated_1.00u]  171.45 33.34 180 top
SW108  SW_Push  [SW_Hotswap_Kailh_MX_plated_1.00u]  190.5 33.34 180 top
SW109  SW_Push  [SW_Hotswap_Kailh_MX_plated_1.00u]  209.55 33.34 180 top
SW110  SW_Push  [SW_Hotswap_Kailh_MX_plated_1.00u]  228.6 33.34 180 top
SW111  SW_Push  [SW_Hotswap_Kailh_MX_plated_2.75u]  264.32 33.34 180 top
SW112  SW_Push  [SW_Hotswap_Kailh_MX_plated_1.00u]  323.85 33.34 180 top
SW113  SW_Push  [SW_Hotswap_Kailh_MX_plated_1.00u]  366.71 33.34 180 top
SW114  SW_Push  [SW_Hotswap_Kailh_MX_plated_1.00u]  385.76 33.34 180 top
SW115  SW_Push  [SW_Hotswap_Kailh_MX_plated_1.00u]  404.81 33.34 180 top
SW116  SW_Push  [SW_Hotswap_Kailh_MX_plated_2.00u_90deg]  423.86 23.81 180 top
SW117  SW_Push  [SW_Hotswap_Kailh_MX_plated_1.25u]  16.67 14.29 180 top
SW118  SW_Push  [SW_Hotswap_Kailh_MX_plated_1.25u]  40.48 14.29 180 top
SW119  SW_Push  [SW_Hotswap_Kailh_MX_plated_1.25u]  64.29 14.29 180 top
SW120  SW_Push  [SW_Hotswap_Kailh_MX_plated_6.25u]  135.73 14.29 180 top
SW121  SW_Push  [SW_Hotswap_Kailh_MX_plated_1.25u]  207.17 14.29 180 top
SW122  SW_Push  [SW_Hotswap_Kailh_MX_plated_1.25u]  230.98 14.29 180 top
SW123  SW_Push  [SW_Hotswap_Kailh_MX_plated_1.25u]  254.79 14.29 180 top
SW124  SW_Push  [SW_Hotswap_Kailh_MX_plated_1.25u]  278.61 14.29 180 top
SW125  SW_Push  [SW_Hotswap_Kailh_MX_plated_1.00u]  304.8 14.29 180 top
SW126  SW_Push  [SW_Hotswap_Kailh_MX_plated_1.00u]  323.85 14.29 180 top